# Altium PCB S6.PcbDoc (part 9 of 14) (continued)
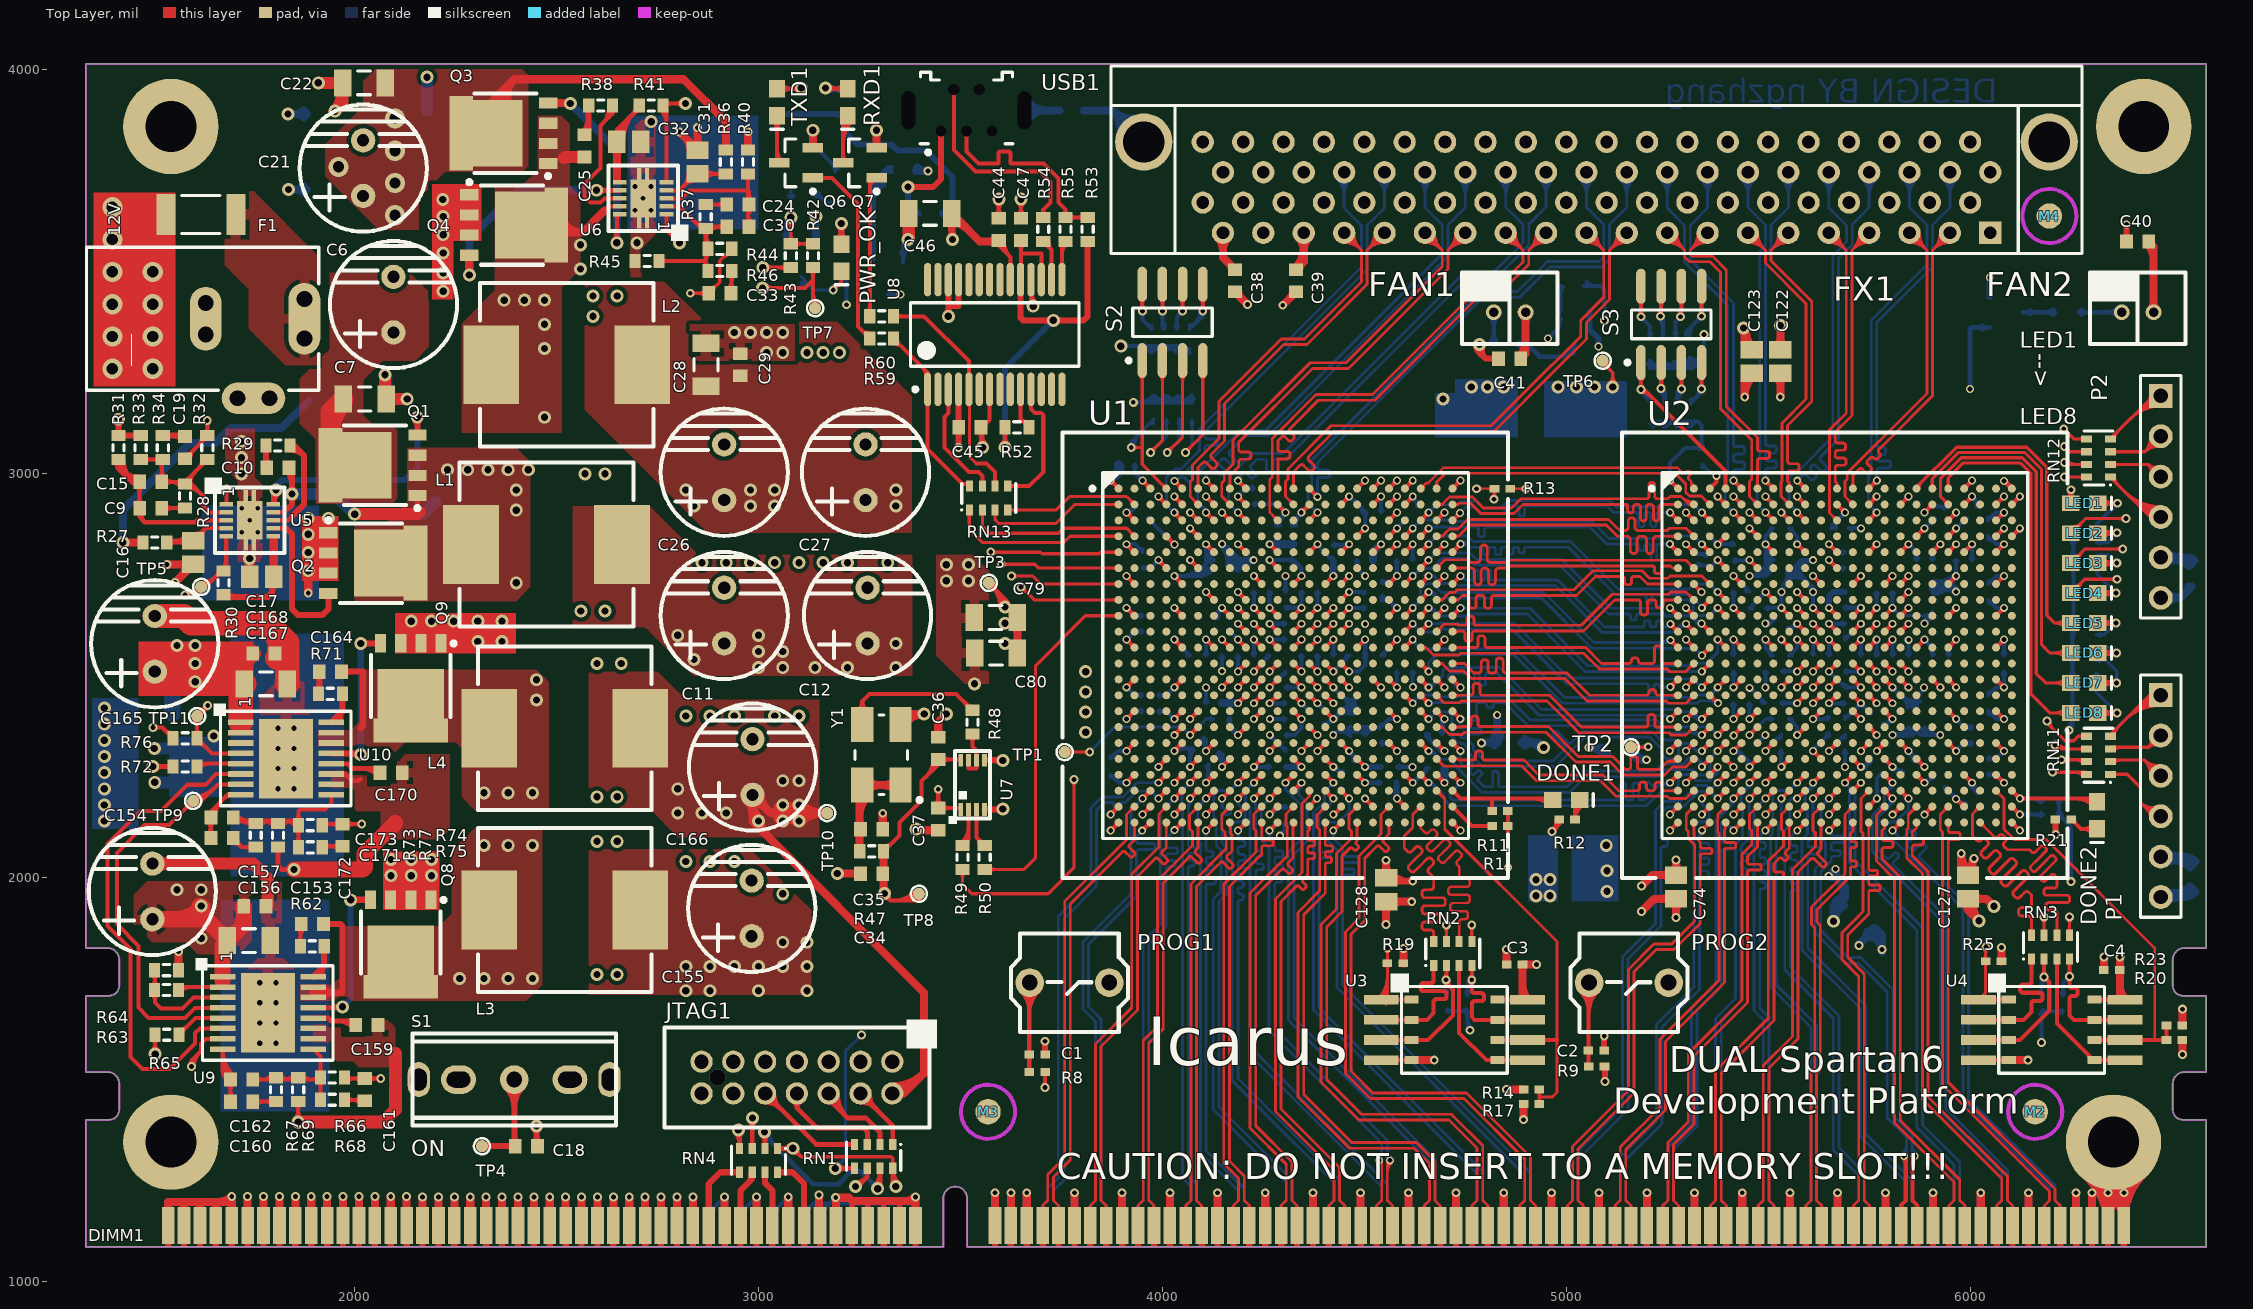
[diagram p0: Top Layer view]
## Nets (pads, with @x,y where several pads share a name; then routed paths per layer and width w, separated by ;. In a path a pad name is that pad's centre, name@x,y a point inside that pad or via, vN(x,y) a via of type N, cw(c..) or ccw(c..) an arc to the next point about the centre after c; other vN are vias at no path point) (continued)
v1@5493.39,2633.83 ccw(c5495.89,2665.11) C147.1@5518.08,2642.92 5504.16,2629 ; v1@5495,2629 5504.16,2629 ; v1@5496.54,2625.69 cw(c5504.16,2618.56) 5504.16,2629 ; v1@5496.54,2632.31 ccw(c5504.16,2639.44) 5504.16,2629 ; v1@5497.99,2313.78 cw(c5512.23,2313.78) 5502.16,2323.85 ; 5500.69,2853.37 ccw(c5489.06,2865) C48.1@5505.5,2865 ; C48.1@5512.31,2865 5493.15,2845.83 v1(5493.15,2825.59) ; C138.1@5513.21,2786.42 cw(c5541.43,2825.59) v1(5493.15,2825.59) ; 5520.37,2342.06 cw(c5532,2330.43) C124.1@5532,2346.87 ; C117.1@5551.69,2550 5571.89,2570.2 v1(5571.89,2589.37) ; C117.1@5558.5,2550 cw(c5574.94,2550) 5563.31,2561.63 ; v1@5568.46,2585.95 cw(c5560.2,2577.68) 5571.89,2577.68 cw(c5583.58,2577.68) v1@5575.31,2585.95 ; v1@5609,2314 5651,2356 C55.1@5651,2357.32 ; v1@5616.1,2313.78 cw(c5633.78,2313.78) 5621.28,2326.28 ; C55.1@5641.62,2346.62 cw(c5651,2337.24) C55.1@5651,2350.5 ; C55.1@5643.2,2348.2 ccw(c5636.04,2355.35) C55.1@5646.16,2355.35 ; v1@5647.2,2585.95 cw(c5638.8,2577.55) 5650.68,2577.55 ; C140.1@5647.26,2553.42 ccw(c5638.99,2561.69) 5650.69,2561.69 ccw(c5662.38,2561.69) C140.1@5654.11,2553.42 ; v1(5650.63,2589.37) 5650.69,2589.32 C140.1@5650.69,2550 ; v1@5650.63,2820.75 cw(c5650.63,2809.06) 5658.9,2817.32 cw(c5667.16,2825.59) v1@5655.47,2825.59 ; v1(5650.63,2825.59) 5670.54,2805.68 C112.1@5689,2805.68 ; 5650.68,2577.82 cw(c5662.18,2577.82) v1@5654.05,2585.95 ; C112.1@5685.58,2802.26 ccw(c5677.31,2793.99) 5677.31,2805.68 ccw(c5677.31,2817.38) C112.1@5685.58,2809.11 ; v1@5686.58,2277.42 ccw(c5678.31,2285.69) 5690,2285.69 ccw(c5701.69,2285.69) v1@5693.42,2277.42 ; C66.1@5686.58,2308.92 cw(c5678.31,2300.66) 5690,2300.66 cw(c5701.69,2300.66) C66.1@5693.42,2308.92 ; v1@5690,2275 C66.1@5690,2314.32 ; C146.1@5690,2392.32 5729.31,2431.63 v1@5729.37,2431.63 ; C146.1@5690,2399.13 ccw(c5690,2415.57) 5701.63,2403.94 ; C141.1@5690,2510.68 5729.32,2510.68 v1(5729.37,2510.63) ; C139.1@5690,2589.32 v1(5729.37,2628.74) v1(5729.37,2628.74) ; C139.1@5690,2596.13 ccw(c5690,2612.57) 5701.63,2600.94 ; C141.1@5693.42,2507.26 cw(c5701.69,2498.99) 5701.69,2510.68 cw(c5701.69,2522.38) C141.1@5693.42,2514.11 ; C113.1@5699.32,2866 v1@5728,2866 ; C113.1@5705.08,2861.58 cw(c5715.76,2850.9) 5715.76,2866 ; 5715.9,2866 cw(c5715.9,2850.89) v1@5726.58,2861.58 ; 5717.55,2510.68 cw(c5717.55,2498.8) v1@5725.95,2507.2 ; 5717.82,2510.68 ccw(c5717.82,2522.18) v1@5725.95,2514.05 ; 5720.96,2423.28 ccw(c5712.35,2431.89) v1@5724.53,2431.89 ; 5721.07,2620.38 ccw(c5712.7,2628.74) v1@5724.53,2628.74 ; 5721.2,2620.51 cw(c5729.37,2612.34) v1@5729.37,2623.9 ; 5721.45,2423.77 cw(c5729.37,2415.85) 5729.37,2427.05 cw(c5729.37,2415.98) 5737.19,2423.81 ; v1(5729.37,2431.89) v1@5729.37,2431.63 ; v1@5734.21,2431.89 ccw(c5746.53,2431.89) 5737.82,2423.18 ; C149.1@5748.85,2407.31 ccw(c5737.16,2407.31) 5745.42,2415.58 ccw(c5753.69,2423.84) C149.1@5753.69,2412.15 ; C149.1@5755.08,2405.92 v1@5729.37,2431.63 ; C144.1@5764.89,2703.58 cw(c5755.6,2694.28) 5768.74,2694.28 ; C142.1@5765.26,2553.42 ccw(c5756.86,2561.83) 5768.74,2561.83 ; v1@5765.32,2585.95 cw(c5757.05,2577.68) 5768.74,2577.68 cw(c5780.43,2577.68) v1@5772.17,2585.95 ; v1@5765.32,2671.54 ccw(c5757.05,2679.8) 5768.74,2679.8 ccw(c5780.43,2679.8) v1@5772.17,2671.54 ; v1@5765.58,2199.42 ccw(c5757.31,2207.69) 5769,2207.69 ccw(c5780.69,2207.69) v1@5772.42,2199.42 ; C142.1@5768.69,2550 5768.74,2550.06 v1(5768.74,2589.37) ; 5768.74,2561.56 ccw(c5780.24,2561.56) C142.1@5772.11,2553.42 ; v1(5768.74,2668.11) C144.1@5768.74,2706.57 ; 5768.74,2696.34 cw(c5778.98,2696.34) C144.1@5771.74,2703.58 ; v1(5769,2196) 5769,2246.16 C126.1@5782.92,2260.08 ; v1@5808.11,2269.57 cw(c5808.11,2257.88) 5816.38,2266.14 cw(c5824.64,2274.41) v1@5812.95,2274.41 ; v1@5809.36,2269.73 cw(c5812.39,2258.44) 5818.23,2268.56 cw(c5824.08,2278.69) v1@5812.79,2275.66 ; v1@5810.42,2357.19 ccw(c5818.36,2370.94) 5822.47,2355.61 ; v1@5811.42,2356.42 ccw(c5822.1,2367.11) 5822.1,2352 ; 5828.57,2352 ccw(c5828.57,2386.71) C136.1@5856.7,2366.37 ; R4.1@5832.6,2264.53 cw(c5831.97,2298.27) v1(5808.11,2274.41) 5821.44,2261.08 R4.1@5834.08,2261.08 ; C151.1@5844.26,2553.42 ccw(c5835.99,2561.69) 5847.69,2561.69 ccw(c5859.38,2561.69) C151.1@5851.11,2553.42 ; v1@5844.58,2585.58 cw(c5837.07,2578.07) 5847.68,2578.07 ; v1@5847.48,2820.75 cw(c5847.48,2809.06) 5855.75,2817.32 cw(c5864.01,2825.59) v1@5852.32,2825.59 ; v1(5847.48,2825.59) 5867.31,2805.76 C71.1@5867.31,2787 ; C151.1@5847.69,2550 v1@5847.69,2588.32 ; 5847.68,2576.55 cw(c5860.45,2576.55) v1@5851.42,2585.58 ; C136.1@5848.6,2372.23 cw(c5809,2400.87) 5809,2352 5857.53,2352 C136.1@5868,2362.47 5877.47,2353 5925,2353 cw(c5925,2399.37) C136.1@5887.41,2372.22 ; C71.1@5863.89,2790.42 ccw(c5855.62,2798.69) 5867.32,2798.69 ccw(c5879.01,2798.69) C71.1@5870.74,2790.42 ; C136.1@5879.3,2366.37 ccw(c5905.44,2385.25) 5905.44,2353 ; v1(5886.85,2235.04) 5892.2,2235.04 C76.1@5909.08,2251.92 ; v1@5886.85,2239.88 ccw(c5886.85,2264.48) C76.1@5904.25,2247.09 ; v1(5887,2904) 5901.92,2918.92 C70.1@5940.92,2918.92 ; v1@5887,2908.84 ccw(c5887,2920.53) 5895.27,2912.27 ccw(c5903.53,2904) v1@5891.84,2904 ; C76.1@5904.24,2251.92 cw(c5892.55,2251.92) 5900.81,2243.65 cw(c5909.08,2235.39) C76.1@5909.08,2247.08 ; 5914.04,2355.94 ccw(c5917.29,2368.09) v1@5923.58,2357.19 ; 5915.25,2355.61 cw(c5912.45,2345.18) v1@5921.81,2350.58 ; v1@5922.58,2349.58 ccw(c5914.31,2341.31) 5914.31,2353 ccw(c5914.31,2364.69) v1@5922.58,2356.42 ; 5924.48,2918.92 cw(c5924.48,2902.48) C70.1@5936.1,2914.1 ; C56.1@5943.26,2553.42 ccw(c5934.99,2561.69) 5946.69,2561.69 ccw(c5958.38,2561.69) C56.1@5950.11,2553.42 ; C56.1@5946.69,2550 5946.69,2570.46 v1(5965.59,2589.37) ; v1@5960.75,2589.37 cw(c5949.06,2589.37) 5957.32,2581.1 cw(c5965.59,2572.84) v1@5965.59,2584.53 ; C65.1@5961.89,2783.58 cw(c5953.62,2775.31) 5965.32,2775.31 cw(c5977.01,2775.31) C65.1@5968.74,2783.58 ; v1@5962.17,2750.28 ccw(c5954.57,2757.87) 5965.31,2757.87 ; 5965.31,2759.21 ccw(c5977.95,2759.21) v1@5969.02,2750.28 ; C65.1@5965.31,2787 5965.31,2747.13 v1(5965.59,2746.85) ; v1@5965.59,2387.68 cw(c5965.59,2375.99) 5973.86,2384.25 cw(c5982.12,2392.52) v1@5970.43,2392.52 ; v1(5965.59,2392.52) 5986.43,2371.68 C64.1@6005,2371.68 ; v1(5965.59,2864.96) 5990.71,2890.08 C69.1@5992.08,2890.08 ; v1@5965.59,2869.8 ccw(c5965.59,2881.49) 5973.86,2873.23 ccw(c5982.12,2864.96) v1@5970.43,2864.96 ; 5980.08,2879.45 cw(c5990.69,2868.85) C69.1@5990.69,2883.85 ; v1@5999.83,2235.56 ccw(c6014.28,2234.1) 6004.01,2223.83 ; v1@6001.54,2231.61 cw(c5993.27,2223.35) 6004.96,2223.35 cw(c6016.65,2223.35) v1@6008.39,2231.61 ; C64.1@6001.58,2368.26 ccw(c5993.31,2359.99) 5993.31,2371.68 ccw(c5993.31,2383.38) C64.1@6001.58,2375.11 ; v1(6004.96,2235.04) 6004.96,2222.88 C75.1@6018.92,2208.92 cw(c6041.37,2231.37) v1@6009.78,2234.55 ; C63.1@6044,2294.68 6064.61,2294.68 v1(6083.7,2313.78) ; C111.1@6044,2838.5 cw(c6044,2822.06) 6055.63,2833.69 ; C111.1@6044,2845.32 6063.72,2825.59 v1(6083.7,2825.59) ; C67.1@6045,2451.68 6064.57,2471.26 v1(6083.7,2471.26) 6084,2471.56 C68.1@6084,2510.32 ; C67.1@6045,2458.5 ccw(c6045,2474.94) 6056.63,2463.31 ; C120.1@6045,2680.5 cw(c6045,2664.06) 6056.63,2675.69 ; C120.1@6045,2687.32 6064.2,2668.11 v1(6083.7,2668.11) ; C63.1@6047.42,2291.26 cw(c6055.69,2282.99) 6055.69,2294.68 cw(c6055.69,2306.38) C63.1@6047.42,2298.11 ; v1@6078.86,2313.78 cw(c6067.17,2313.78) 6075.44,2305.51 cw(c6083.7,2297.25) v1@6083.7,2308.94 ; v1@6080.28,2467.83 ccw(c6072.01,2459.57) 6072.01,2471.26 ccw(c6072.01,2482.95) 6080.28,2474.68 ccw(c6071.29,2483.67) 6084,2483.67 ; v1@6080.28,2664.69 ccw(c6072.01,2656.42) 6072.01,2668.11 ccw(c6072.01,2679.8) v1@6080.28,2671.54 ; v1@6080.28,2822.17 ccw(c6072.01,2813.9) 6072.01,2825.59 ccw(c6072.01,2837.28) v1@6080.28,2829.02 ; C68.1@6080.58,2504.92 cw(c6072.31,2496.66) 6084,2496.66 cw(c6095.69,2496.66) C68.1@6087.42,2504.92 ; 6084,2482.23 ccw(c6094.67,2482.23) v1@6087.13,2474.68 ; v3@6240.76,2369.24 ccw(c6210.06,2399.94) 6253.47,2399.94 ; v3(6245,2365) 6253.47,2373.47 RN10.1@6253.47,2506.76 RN10.2@6253.47,2538.25 RN10.3@6253.47,2569.75 RN10.4@6253.47,2601.24 ; v3@6247.83,2362.17 ccw(c6234.2,2375.8) 6253.47,2375.8 ; RN10.1@6250.74,2504.03 cw(c6244.16,2497.44) 6253.47,2497.44 cw(c6262.79,2497.44) RN10.1@6256.2,2504.03 ; RN10.1@6250.74,2509.48 ccw(c6244.16,2516.07) 6253.47,2516.07 ccw(c6262.79,2516.07) RN10.1@6256.2,2509.48 ; RN10.2@6250.74,2535.52 cw(c6244.16,2528.94) 6253.47,2528.94 cw(c6262.79,2528.94) RN10.2@6256.2,2535.52 ; RN10.2@6250.74,2540.98 ccw(c6244.16,2547.57) 6253.47,2547.57 ccw(c6262.79,2547.57) RN10.2@6256.2,2540.98 ; RN10.3@6250.74,2567.02 cw(c6244.16,2560.43) 6253.47,2560.43 cw(c6262.79,2560.43) RN10.3@6256.2,2567.02 ; RN10.3@6250.74,2572.48 ccw(c6244.16,2579.06) 6253.47,2579.06 ccw(c6262.79,2579.06) RN10.3@6256.2,2572.48 ; RN10.4@6250.74,2598.52 cw(c6244.16,2591.93) 6253.47,2591.93 cw(c6262.79,2591.93) RN10.4@6256.2,2598.52 ; RN10.4@6250.74,2603.97 ccw(c6239.33,2615.39) 6255.47,2615.39 ; RN9.1@6252.74,2764.03 cw(c6246.16,2757.44) 6255.47,2757.44 cw(c6264.79,2757.44) RN9.1@6258.2,2764.03 ; RN9.1@6252.74,2769.48 ccw(c6246.16,2776.07) 6255.47,2776.07 ccw(c6264.79,2776.07) RN9.1@6258.2,2769.48 ; RN9.2@6252.74,2795.52 cw(c6246.16,2788.94) 6255.47,2788.94 cw(c6264.79,2788.94) RN9.2@6258.2,2795.52 ; RN9.2@6252.74,2800.98 ccw(c6246.16,2807.57) 6255.47,2807.57 ccw(c6264.79,2807.57) RN9.2@6258.2,2800.98 ; RN9.3@6252.74,2827.02 cw(c6246.16,2820.43) 6255.47,2820.43 cw(c6264.79,2820.43) RN9.3@6258.2,2827.02 ; RN9.3@6252.74,2832.48 ccw(c6246.16,2839.06) 6255.47,2839.06 ccw(c6264.79,2839.06) RN9.3@6258.2,2832.48 ; RN9.4@6252.74,2858.52 cw(c6246.16,2851.93) 6255.47,2851.93 cw(c6264.79,2851.93) RN9.4@6258.2,2858.52 ; RN10.4@6255.47,2603.24 RN9.1@6255.47,2766.76 RN9.2@6255.47,2798.25 RN9.3@6255.47,2829.75 RN9.4@6255.47,2861.24 ; 4434.47,2362.47 C82.1@4483,2362.47 4493.21,2372.68 C103.1@4541,2372.68
  Bottom Layer w15: Q12.2@5057.4,3401.34 5057.4,3357.6 5080,3335 v1(5080,3315) ; v1(5650.63,2668.11) 5650.63,2696.63 5661.69,2707.68 C145.1@5689,2707.68 ; Q13.2@6048.66,3437.4 v1(6048.66,3486.34)
  Bottom Layer w20: v2(1835,3891) C20.1@1882.15,3891 ; v2(1836.33,3703.67) C5.1@1882.15,3703.67 ; C5.1@1873.91,3695.43 ccw(c1854.02,3675.53) 1854.02,3703.67 ccw(c1854.02,3731.8) C5.1@1873.91,3711.91 ; C20.1@1873.91,3882.76 ccw(c1854.02,3862.87) 1854.02,3891 ccw(c1854.02,3919.13) C20.1@1873.91,3899.24 ; DIMM1.137@2168.05,1127.9 DIMM1.137@2168.05,1138.6 v3(2168.05,1209.06) ; DIMM1.138@2207.43,1127.9 DIMM1.138@2207.43,1138.6 v3(2207.43,1209.06) ; DIMM1.139@2246.8,1127.9 DIMM1.139@2246.8,1138.6 v3(2246.8,1209.06) ; DIMM1.140@2286.16,1127.9 DIMM1.140@2286.16,1138.6 v3(2286.16,1209.06) ; DIMM1.141@2325.54,1138.6 v3(2325.54,1209.06) ; DIMM1.142@2364.91,1138.6 v3(2364.91,1209.06) ; DIMM1.143@2404.28,1138.6 v3(2404.28,1209.06) ; DIMM1.144@2443.65,1138.6 v3(2443.65,1209.06) ; DIMM1.145@2483.02,1138.6 v3(2483.02,1209.06) ; DIMM1.146@2522.39,1138.6 v3(2522.39,1209.06) ; DIMM1.147@2561.76,1138.6 v3(2561.76,1209.06) ; DIMM1.148@2601.13,1138.6 v3(2601.13,1209.06) ; DIMM1.149@2640.5,1138.6 v3(2640.5,1209.06) ; DIMM1.150@2679.87,1138.6 v3(2679.87,1209.06) ; DIMM1.151@2719.24,1138.6 v3(2719.24,1209.06) ; DIMM1.152@2758.61,1138.6 v3(2758.61,1209.06) ; DIMM1.153@2797.98,1138.6 v3(2797.98,1209.06) ; DIMM1.154@2837.35,1138.6 v3(2837.35,1209.06) ; DIMM1.156@2916.09,1138.6 v3(2916.09,1209.06) ; DIMM1.158@2994.83,1138.6 v3(2994.83,1209.06) ; DIMM1.160@3073.57,1138.6 v3(3073.57,1209.06) ; Q5.2@3142.4,3571.34 v2(3142.4,3637.6) ; DIMM1.163@3191.68,1138.6 3191.68,1193 ; DIMM1.168@3388.53,1138.6 3388.53,1193 v3(3388.53,1209.06) ; DIMM1.169@3585.38,1138.6 v3(3585.38,1219.75) ; DIMM1.170@3624.75,1138.6 v3(3624.75,1219.75) ; DIMM1.171@3664.12,1138.6 v3(3664.12,1219.75) ; DIMM1.174@3782.23,1138.6 v3(3782.23,1219.75) ; R56.1@3804.53,3900 3875.61,3900 ; v1(3871.93,2983.07) 3892.32,3003.46 ; v1@3875.41,2986.55 ccw(c3838.96,3023) R5.1@3890.5,3023 ; R5.1@3892.32,3023 3892.32,3003.46 ; R5.1@3892.43,3023.11 cw(c3882.43,3013.34) 3892.32,3003.46 ; FX1.81@3894.59,3834.83 ccw(c3825.76,3850.14) 3875.62,3900 ; DIMM1.177@3900.34,1138.6 v3(3900.34,1219.75) ; FX1.81@3914.11,3830.49 ccw(c3867.9,3840.77) 3901.37,3874.24 ccw(c3934.85,3907.72) FX1.81@3945.13,3861.51 ; FX1.81@3940.78,3881.03 cw(c3925.47,3949.85) 3875.62,3900 ; FX1.81@3954,3821.61 3875.61,3900 ; DIMM1.180@4018.45,1138.6 v3(4018.45,1219.75) ; DIMM1.183@4136.56,1138.6 v3(4136.56,1219.75) ; DIMM1.186@4254.67,1138.6 v3(4254.67,1219.75) ; v1(4265.63,2825.59) C107.1@4324.69,2825.59 ; DIMM1.189@4372.78,1138.6 v3(4372.78,1219.75) ; DIMM1.192@4490.89,1138.6 v3(4490.89,1219.75) ; DIMM1.195@4609,1138.6 v3(4609,1219.75) ; DIMM1.198@4727.11,1138.6 v3(4727.11,1219.75) ; DIMM1.201@4845.22,1138.6 v3(4845.22,1219.75) ; C73.1@4889.53,2335 4931,2335 v2(4944,2322) ; C73.1@4897.77,2326.76 cw(c4917.66,2306.87) 4917.66,2335 cw(c4917.66,2363.13) C73.1@4897.77,2343.24 ; C73.1@4898.13,2335 cw(c4898.13,2276.13) v2@4939.76,2317.76 ; DIMM1.204@4963.33,1138.6 v3(4963.33,1219.75) ; DIMM1.207@5081.44,1138.6 v3(5081.44,1219.75) ; C72.1@5094.08,2305.82 ccw(c5056,2269.11) v3(5056,2322) 5088.47,2322 C72.1@5102.47,2308 ; DIMM1.210@5199.55,1138.6 v3(5199.55,1219.75) ; DIMM1.213@5317.66,1138.6 v3(5317.66,1219.75) ; DIMM1.216@5435.77,1138.6 v3(5435.77,1219.75) ; DIMM1.219@5553.88,1138.6 v3(5553.88,1219.75) ; DIMM1.222@5671.99,1138.6 v3(5671.99,1219.75) ; v3(5725,1832) 5724.84,1832 5724,1832.84 C134.1@5765.58,1874.42 5782,1858 v3(5782,1822) ; C134.1@5745.58,1866.07 cw(c5717.44,1866.07) 5737.34,1846.17 cw(c5757.23,1826.28) C134.1@5757.23,1854.41 ; C134.1@5753.54,1855.01 cw(c5740.37,1815.52) v3@5782,1815.52 ; C134.1@5759.87,1873.98 cw(c5749.63,1843.27) 5782,1843.27 ; DIMM1.225@5790.1,1138.6 v3(5790.1,1219.75) ; C137.1@5906.54,2717.32 5935.51,2717.32 ; DIMM1.228@5908.21,1138.6 v3(5908.21,1219.75) ; C137.1@5911.55,2709.02 ccw(c5914.72,2738.59) 5935.75,2717.56 ; C137.1@5913.69,2728.91 ccw(c5920.46,2791.98) 5965.31,2747.13 5935.51,2717.32 ; C137.1@5920.68,2709.08 cw(c5940.57,2689.19) 5940.57,2717.32 cw(c5940.57,2745.46) C137.1@5920.68,2725.56 ; 5942.87,2717.32 cw(c5942.87,2685.87) v1@5965.11,2708.11 ; v1@5964,2708 5954.68,2717.32 ; v1@5965.16,2708.02 ccw(c5954.68,2706.77) 5954.68,2717.32 ; DIMM1.231@6026.32,1138.6 v3(6026.32,1219.75) ; DIMM1.234@6144.43,1138.6 v3(6144.43,1219.75) ; DIMM1.237@6262.54,1138.6 v3(6262.54,1219.75) ; pad.0@6284.15,1263.34 cw(c6175.55,1138.15) 6341.28,1138.15 cw(c6469.68,1138.15) pad.0@6407.42,1250.45 ; pad.0@6297.26,1278.44 cw(c6213.57,1181.98) DIMM1.239@6341.28,1181.98 ; DIMM1.238@6301.91,1138.6 v3(6301.91,1219.75) ; pad.0@6310.16,1246.63 cw(c6260.19,1137.02) DIMM1.240@6380.65,1137.02 ; pad.0@6310.37,1293.55 cw(c6251.6,1225.81) v3@6341.28,1225.81 ; pad.0@6318.45,1264.83 cw(c6274.36,1168.12) DIMM1.240@6380.65,1168.12 ; pad.0@6324.62,1241.25 cw(c6318.1,1219) 6341.28,1219 cw(c6359.24,1219) pad.0@6358.63,1236.95 ; pad.0@6326.75,1283.03 cw(c6288.54,1199.21) 6380.65,1199.21 ; 6329.74,1228.75 ccw(c6345.3,1238.92) v3@6341.49,1220.73 ; pad.0@6332.79,1231.1 cw(c6322.62,1216.27) v3@6340.3,1219.57 ; 6338.09,1202.97 cw(c6359.63,1206.24) v3@6342.09,1219.16 ; v3@6340.46,1219.18 cw(c6313.71,1200.51) 6345.69,1194.08 ; v3@6340.99,1218.79 cw(c6336.01,1202.14) 6351.31,1210.39 ; v3@6341.2,1220.75 ccw(c6338.2,1256.94) pad.0@6365.91,1233.47 ; DIMM1.239@6341.28,1138.6 v3(6341.28,1219.75) ; DIMM1.239@6341.28,1172.11 cw(c6450.85,1172.11) pad.0@6397.72,1267.94 ; 6341.28,1206.07 cw(c6432.03,1206.07) pad.0@6388.03,1285.43 ; pad.0@6350.24,1235.42 ccw(c6383.19,1264.86) v3@6380.71,1220.75 ; 6364.89,1205.12 cw(c6389.44,1192.56) v3@6380.96,1218.8 ; 6375.57,1191.63 cw(c6409.04,1198.86) v3@6381.46,1219.16 ; DIMM1.240@6380.65,1138.6 v3(6380.65,1219.75) ; DIMM1.240@6380.65,1145.92 cw(c6554.08,1145.92) pad.0@6431.45,1268.55 ; 6380.65,1194.21 cw(c6505.79,1194.21) pad.0@6417.3,1282.7 ; v3@6380.65,1217.15 cw(c6412.87,1217.15) pad.0@6399.59,1246.51 ; v3@6381.64,1219.63 cw(c6409.57,1216.33) pad.0@6392.16,1238.41 ; P1.5@6471,2052 P1.5@6472,2052 6527.56,2052 C42.1@6550,2029.56 ; P2.5@6471,2793 P2.5@6472,2793 6530.56,2793 C43.1@6548,2775.56 ; P1.5@6479.98,2052 cw(c6479.98,1961.5) C42.1@6543.97,2025.49 ; P1.5@6482.03,2035.25 cw(c6508.46,1991.13) 6521.77,2040.8 ; P2.5@6484.33,2777.85 cw(c6508.88,2747.69) 6518.94,2785.26 ; P1.5@6485.81,2038.19 cw(c6519.14,2004.86) 6519.14,2052 cw(c6519.14,2099.14) P1.5@6485.81,2065.81 ; P2.5@6485.81,2779.19 cw(c6519.14,2745.86) 6519.14,2793 cw(c6519.14,2840.14) P2.5@6485.81,2806.81 ; P1.5@6488.91,2061.76 ccw(c6523.63,2081.81) 6513.26,2043.08 ; P2.5@6488.91,2802.76 ccw(c6515.93,2818.36) 6507.85,2788.23 ; P2.5@6490.05,2793 cw(c6490.05,2719.58) C43.1@6541.97,2771.49 ; 6528.26,2052 cw(c6528.26,2009.79) C42.1@6558.11,2039.64 ; C43.1@6534.83,2788.73 cw(c6521.65,2775.56) C43.1@6540.28,2775.56 ; C42.1@6536.83,2042.73 cw(c6523.65,2029.56) C42.1@6542.28,2029.56 ; 6538.33,2793 cw(c6538.33,2767.86) C43.1@6556.11,2785.64 ; 5935.51,2717.32 cw(c5935.51,2734.33) 5921.82,2724.24 ccw(c5935.51,2734.33) 5935.51,2717.32 ; 5935.51,2717.32 ccw(c5935.51,2700.32) 5921.82,2710.41 cw(c5935.51,2700.32) 5935.51,2717.32 ; 5935.51,2717.32 5954.68,2717.32
  Bottom Layer w30: v2(1504,2320) C163.1@1548.15,2320 ; v2(1505,2236) C152.1@1548.15,2236 ; C8.1@2078.15,3185 v2@2078.15,3241.85 ; C23.1@2179,3900.15 v2(2179,3982)
  other v1: 5690,2274 4266,2353 4423,2353 5808,2353 5926,2353 4266,2393 5454,2470 4108.15,2471 5493,2471 4620,2472 5848,2589 4502,2628 5493,2629 5965,2708 4502,2747 5454,2747 5730,2865
  other v2: 2600,1760 2650,1760 4925,1955 4960,1955 3060,1960 4925,1995 4960,1995 2090,2005 2140,2005 2190,2005 2820,2040 2880,2040 2940,2040 2090,2045 2140,2045 2190,2045 2600,2090 2650,2090 2600,2200 2650,2200 1651,2351 2820,2400 2880,2400 2940,2400 3040,2400 3100,2400 3535,2480 2600,2530 2660,2530 2305,2585 2365,2585 2140,2635 2190,2635 2245,2635 2305,2635 2365,2635 2560,2660 2620,2660 3465,2735 3520,2735 3465,2775 3520,2775 2860,2780 2920,2780 2980,2780 3040,2780 3100,2780 3160,2780 3220,2780 3320,2780 1885,2805 1885,2850 1885,2890 1935,2890 1720,3000 2570,3000 2620,3000 1720,3040 1720,3080 4695,3185 4765,3215 4805,3215 4845,3215 3020,3300 3060,3300 3120,3300 3160,3300 3200,3300 2940,3350 2980,3350 3020,3350 3060,3350 2590,3390 2590,3440 2650,3440 2219,3452 2219,3497 2219,3547 2699,3572 2219,3592 2219,3637 2218,3679 2734,3872
  other v3: 3191,1208
  other v4: 1765,1590 1805,1590 1765,1640 1805,1640 1765,1690 1805,1690 1765,1740 1805,1740 1810,2220 1850,2220 1810,2270 1850,2270 1810,2320 1850,2320 1810,2370 1850,2370
  other v6: 1720.32,2855.47 1759.68,2855.47 1740,2885 1720.32,2914.53 1759.68,2914.53 2694.32,3652.47 2733.68,3652.47 2714,3682 2694.32,3711.53 2733.68,3711.53
HOLD_A: R18.2 RN2.4 U3.7 | length 484.5
  Top Layer w10: v3@4761.76,1742.76 cw(c4750.93,1731.93) 4766.24,1731.93 ; v3@4761.76,1751.24 ccw(c4750.93,1762.07) 4766.24,1762.07 ; RN2.4@4763.52,1774.82 cw(c4756.93,1768.24) 4766.24,1768.24 cw(c4775.56,1768.24) RN2.4@4768.97,1774.82 ; 4766.24,1733.1 cw(c4779.9,1733.1) v3@4770.24,1742.76 ; 4766.24,1760.9 ccw(c4779.9,1760.9) v3@4770.24,1751.24 ; RN2.4@4766.24,1782.47 4766.24,1724 4766.24,1721 ccw(c4773.24,1721) 4773.24,1714 4789.24,1714 cw(c4789.24,1707) 4796.24,1707 4796.24,1701 cw(c4789.24,1701) 4789.24,1694 4773.24,1694 ccw(c4773.24,1687) 4766.24,1687 4766.24,1674 4766.24,1658 4766.24,1654.76 4773,1648 4826.35,1648 U3.7@4829.35,1648 ; U3.7@4818.26,1644.58 ccw(c4810,1636.31) 4810,1648 ccw(c4810,1659.69) U3.7@4818.26,1651.42 ; U3.7@4840.43,1644.58 cw(c4848.69,1636.31) 4848.69,1648 cw(c4848.69,1659.69) U3.7@4840.43,1651.42 ; U3.7@4867.79,1643.18 ccw(c4856.16,1631.56) 4856.16,1648 ccw(c4856.16,1664.44) U3.7@4867.79,1652.82
  Bottom Layer w10: R18.2@4751.58,1715.08 ccw(c4743.31,1723.34) 4755,1723.34 ccw(c4766.69,1723.34) R18.2@4758.42,1715.08 ; R18.2@4755,1708.1 cw(c4802.01,1708.1) v3@4770.08,1742.6 ; R18.2@4755,1709.69 4755,1736 v3(4766,1747) ; 4755,1730.98 cw(c4780.83,1730.98) v3@4763.28,1749.94
HOLD_B: R24.2 RN3.4 U4.7 | length 452.1
  Top Layer w10: v3@6241.76,1750.76 cw(c6230.93,1739.93) 6246.24,1739.93 ; v3@6241.76,1759.24 ccw(c6230.93,1770.07) 6246.24,1770.07 ; RN3.4@6243.52,1790.82 cw(c6236.93,1784.24) 6246.24,1784.24 cw(c6255.56,1784.24) RN3.4@6248.97,1790.82 ; 6246,1659 6257,1648 6265,1648 6305.35,1648 U4.7@6308.35,1648 ; 6246.24,1659 6246.24,1688 6246.24,1700 cw(c6253.24,1700) 6253.24,1707 6259.24,1707 ccw(c6259.24,1714) 6266.24,1714 6266.24,1720 ccw(c6259.24,1720) 6259.24,1727 6253.24,1727 cw(c6253.24,1734) 6246.24,1734 6246.24,1737 RN3.4@6246.24,1798.47 ; 6246.24,1741.1 cw(c6259.9,1741.1) v3@6250.24,1750.76 ; 6246.24,1768.9 ccw(c6259.9,1768.9) v3@6250.24,1759.24 ; U4.7@6297.26,1644.58 ccw(c6289,1636.31) 6289,1648 ccw(c6289,1659.69) U4.7@6297.26,1651.42 ; U4.7@6319.43,1644.58 cw(c6327.69,1636.31) 6327.69,1648 cw(c6327.69,1659.69) U4.7@6319.43,1651.42 ; U4.7@6346.79,1643.18 ccw(c6335.16,1631.56) 6335.16,1648 ccw(c6335.16,1664.44) U4.7@6346.79,1652.82
  Bottom Layer w10: R24.2@6226.58,1713.08 ccw(c6218.31,1721.34) 6230,1721.34 ccw(c6241.69,1721.34) R24.2@6233.42,1713.08 ; R24.2@6230,1707.69 6230,1739 v3(6246,1755) ; v3@6240,1755 cw(c6225.51,1755) 6235.76,1744.76 cw(c6246,1734.51) v3@6246,1749
IO_PG: R76.1 TP11.1 U5.1 U10.4 | length 1105.1
  Top Layer w10: TP11.1@1602.93,2392.93 cw(c1587,2377) 1609.53,2377 ; R76.1@1603.32,2355.14 ccw(c1588.33,2370.13) 1609.53,2370.13 ccw(c1630.72,2370.13) R76.1@1615.74,2355.14 ; R76.1@1609.53,2332.28 cw(c1609.53,2301.58) 1631.24,2323.29 ; 1609.53,2374.72 cw(c1635.28,2374.72) TP11.1@1617.07,2392.93 ; TP11.1@1610,2410 ccw(c1610,2434.14) 1627.07,2417.07 ccw(c1644.14,2400) TP11.1@1620,2400 ; TP11.1@1618.26,2411.98 ccw(c1605.43,2434.19) v3@1630.2,2427.55 ; R76.1@1618.31,2341.06 ccw(c1630,2341.06) R76.1@1621.73,2332.8 ; TP11.1@1621.98,2408.26 cw(c1644.19,2395.43) v3@1637.55,2420.2 ; 1625.44,2416.13 ccw(c1620.77,2424.21) v3@1630.04,2425.3 ; 1626.13,2415.44 cw(c1634.21,2410.77) v3@1635.3,2420.04 ; v3@1630,2426 cw(c1615.51,2426) 1625.76,2415.76 cw(c1636,2405.51) v3@1636,2420 ; v3(1636,2426) TP11.1@1610,2400 1609.53,2399.53 R76.1@1609.53,2345 1646.73,2307.8 U10.4@1717.8,2307.8 ; v3@1678.76,2958.76 cw(c1668.51,2948.51) 1683,2948.51 cw(c1697.49,2948.51) v3@1687.24,2958.76 ; U5.1@1683,2925.44 v3(1683,2963)
  Mid-Layer 3 w10: v3(1636,2426) 1683,2473 v3(1683,2963) ; v3@1636,2432 ccw(c1636,2446.49) 1646.24,2436.24 ccw(c1656.49,2426) v3@1642,2426 ; v3@1678.76,2958.76 cw(c1668.51,2948.51) 1683,2948.51 cw(c1697.49,2948.51) v3@1687.24,2958.76
Net12V_1: 12V.1 12V.1A 12V.1B F1.1
NetC6_1: C6.1 C7.2 C8.2 Q1.5 R26.1 R27.2 | length 1015.3
  Top Layer w20: v2(1426,2830) R27.2@1475.47,2830
  Top Layer w50: Q1.5@1939.73,3021 1939.73,3152.88 C7.2@1971.85,3185 ; Q1.5@1939.73,3103.73 cw(c2041.31,3103.73) C7.2@1969.48,3175.56 ; 1939.73,3135.19 cw(c1982.56,3135.19) C7.2@1970.94,3176.41
  Bottom Layer w20: v2(1426,2830) 1426,2910 1592,3076 1655,3076 1692,3113 1819,3113 1887,3181
NetC9_1: C9.1 C15.1 R31.2 U5.3 | length 774.4
  Top Layer w10: C9.1@1459.84,2924.57 ccw(c1441.49,2942.92) 1467.44,2942.92 ccw(c1493.39,2942.92) C9.1@1475.04,2924.57 ; C15.1@1459.84,2970.43 cw(c1441.49,2952.08) 1467.44,2952.08 cw(c1493.39,2952.08) C15.1@1475.04,2970.43 ; C9.1@1461.34,2904.18 cw(c1453.32,2892.56) 1467.44,2892.56 ; C15.1@1467.44,2980 C9.1@1467.44,2915 1467.44,2892.56 ; C9.1@1468.08,2912.65 ccw(c1484.61,2902.68) 1470.96,2889.04 ; C9.1@1473.54,2904.18 ccw(c1481.56,2892.56) 1467.44,2892.56 ; C9.1@1476.65,2907.48 ccw(c1495.88,2895.88) 1480,2880 ; U5.3@1681.93,2885 1610,2885 1605,2880 1480,2880 ; 1467.44,2892.56 1480,2880
  Top Layer w15: R31.2@1410.22,3035.47 ccw(c1448.09,3035.47) 1421.31,3008.69 ; R31.2@1410.56,3031.03 cw(c1399.84,3020.31) 1415,3020.31 cw(c1430.16,3020.31) R31.2@1419.44,3031.03 ; R31.2@1415,3035.47 1415,3015 1450,2980 ; 1420.23,3009.77 ccw(c1467.44,3056.99) C15.1@1467.44,2990.22 ; R31.2@1425.22,3035.47 ccw(c1499.31,3035.47) 1446.92,2983.08 ; 1445.83,2984.17 ccw(c1467.44,3005.77) C15.1@1467.44,2975.22 ; C15.1@1461.07,2974.77 ccw(c1450,2965.69) 1450,2980 ; C15.1@1461.07,2985.23 cw(c1450,2994.31) 1450,2980 ; C15.1@1467.44,2980 1450,2980
NetC9_2: C9.2 R28.2 | length 131.7
  Top Layer w10: C9.2@1522.56,2915 1579.53,2915 R28.2@1580,2915.47 ; C9.2@1530.16,2907.4 cw(c1548.51,2889.05) 1548.51,2915 cw(c1548.51,2940.95) C9.2@1530.16,2922.6 ; 1553.73,2915 ccw(c1553.73,2937.81) R28.2@1569.86,2921.68 ; 1556.01,2915 cw(c1556.01,2895.42) R28.2@1569.86,2909.26
NetC10_1: C10.1 D1.2 L1.1 Q1.1 Q1.2 Q1.3 Q2.5 U5.9 | length 871.1
  Top Layer w12: U5.9@1798.07,2904.68 1824.68,2904.68 1835,2915 ; Q1.1@2149.78,2940.5 cw(c2136.5,2927.22) 2155.28,2927.22 cw(c2174.06,2927.22) Q1.1@2160.78,2940.5 ; Q1.1@2155.28,2946 2155.28,2909.72 2160,2905
  Top Layer w15: C10.1@1831.73,3007.2 cw(c1799.68,2975.15) 1845,2975.15 ; 1835,2915 1845,2925 v2(1845,2950) 1845,3007.56 C10.1@1837.56,3015 ; v2@1838.99,2943.99 cw(c1824.48,2929.48) 1845,2929.48 cw(c1865.52,2929.48) v2@1851.01,2943.99 ; v2@1838.99,2956.01 ccw(c1824.48,2970.52) 1845,2970.52 ccw(c1865.52,2970.52) v2@1851.01,2956.01
  Top Layer w30: v2(2000,2900) 2155,2900 2160,2905
  Bottom Layer w30: v2(1845,2950) 1950,2950 v2(2000,2900) 2170,2900 2200,2930
  other v2: 2400,2730 2400,2910 2400,2960 2230,3010 2280,3010 2330,3010 2380,3010 2430,3010
NetC10_2: C10.2 R29.1 | length 100.5
  Top Layer w15: R29.1@1776.03,3061.62 cw(c1765.31,3050.9) 1780.47,3050.9 cw(c1795.63,3050.9) R29.1@1784.91,3061.62 ; 1780.47,3041.63 ccw(c1807.11,3041.63) C10.2@1788.27,3022.8 ; R29.1@1780.47,3070 1780.47,3016.97 C10.2@1782.44,3015